# KiCad board st225_20301.kicad_pcb (continued)
## Routing (per net, layer and track width the routed paths; a pad name or vN(x,y) marks a point on that pad's centre or on a via; arc(x,y) is an arc through that point) (continued)
  Bottom w0.508: 1E1.5 1E1.4
Net-(5B1-PB0): length 91.6
  Top w0.254: 89.15,129.67 91.19,131.7 94.74,131.7 v1(96.77,129.67) ; 7D1.9 75.32,152.53 84.71,152.53 87.25,149.99 92.33,149.99 v1(94.23,151.89)
  Bottom w0.254: v1(96.77,129.67) 96.77,140.21 95.38,141.61 95.38,148.34 94.23,149.48 v1(94.23,151.89) 94.23,163.83 8C1.15 ; 89.15,129.67 90.3,128.52 90.3,126.11 91.57,124.84 5B1.29
Net-(5B1-PB1): length 110.5
  Top w0.254: 7D1.10 68.84,153.67 73.03,149.48 92.84,149.48 93.22,149.86 v1(95.38,149.86) ; v1(92.84,114.3) 91.44,114.3 5B1.28
  Bottom w0.254: 92.84,125.35 97.28,125.35 97.92,125.98 97.92,133.73 97.28,134.37 97.28,140.72 96.01,141.99 96.01,149.23 v1(95.38,149.86) 95.38,160.02 96.77,161.42 96.77,166.6 8C1.14 ; 92.84,125.35 v1(92.84,114.3) ; 92.84,125.35 92.84,127.89 92.33,128.4 91.06,128.4 90.3,129.16 90.3,134.49 89.15,135.64 6D1.3
Net-(5B1-PB2): length 111.7
  Top w0.254: 7D1.11 66.3,154.94 72.52,148.72 v1(97.28,148.72) ; v1(98.68,135.38) 88.52,135.38 6D1.4
  Bottom w0.254: 6D1.4 86.61,135.89 87.88,134.62 87.88,113.28 5B1.27 ; 8C1.13 97.41,168.51 97.41,161.04 96.14,159.77 96.14,151.77 97.28,150.62 v1(97.28,148.72) 97.28,141.99 98.04,141.22 98.04,138.43 98.68,137.8 v1(98.68,135.38)
Net-(5B1-PB3): length 118.1
  Top w0.254: 7D1.13 66.93,144.4 75.82,144.4 77.52,146.1 92.89,146.1 93.6,146.81 v1(98.68,146.81) ; v1(99.06,129.79) 96.52,132.33 89.28,132.33 86.61,129.67
  Top w0.762: 5B1.26 v1(86.49,114.43)
  Bottom w0.254: v1(86.49,114.43) 86.61,114.55 86.61,124.71 85.22,126.11 85.22,128.27 86.61,129.67 ; v1(99.06,129.79) 99.06,131.06 99.82,131.83 99.82,137.8 98.68,138.94 v1(98.68,146.81) 98.68,150.37 96.77,152.27 96.77,159.51 98.04,160.78 98.04,169.04 97.03,170.05 97.03,171.58 95.77,172.84 8C1.12
Net-(5B1-PB4): length 133
  Top w0.254: 8B1.15 107.01,168.96 107.01,159.46 v1(106.3,158.75) ; v1(104.52,119.38) v1(80.14,119.38) 74.55,119.38 v1(74.42,119.51)
  Top w0.762: v1(67.44,120.78) 70.1,120.78 v1(70.74,121.41)
  Bottom w0.254: v1(67.44,120.78) 67.44,122.56 66.93,123.06 66.93,138.68 66.3,139.31 7D1.14 ; 5B1.25 81.41,112.52 80.26,113.67 80.26,119.25 v1(80.14,119.38) 80.14,128.14 78.99,129.29 78.99,129.67 ; v1(106.3,158.75) 104.9,158.75 103.76,157.61 103.76,155.58 104.39,154.94 104.39,147.45 105.66,146.18 105.66,142.24 105.03,141.61 105.03,129.16 105.54,128.65 105.54,125.86 104.52,124.84 v1(104.52,119.38) ; v1(70.74,121.41) 72.64,119.51 v1(74.42,119.51)
Net-(5B1-PB5): length 103.5
  Top w0.254: v1(103.12,158.75) 103.12,160.15 104.39,161.42 104.39,171.45 105.66,172.72 ; 7D1.15 70.61,143 74.29,143 75.06,142.24 75.06,139.7 75.56,139.19 77.09,139.19 78.99,137.29 80.14,138.43 80.14,141.99 83.06,144.91 100.46,144.91 100.97,144.4 102.23,144.4 v1(102.36,144.27) ; v1(82.68,114.43) 81.41,114.43 5B1.24
  Bottom w0.254: v1(102.36,144.27) 102.36,145.42 103.12,146.18 v1(103.12,158.75) ; v1(82.68,114.43) 82.68,127.89 82.17,128.4 80.77,128.4 80.14,129.03 80.14,133.35 78.99,134.49 78.99,137.29
Net-(5B1-PB6): length 107.6
  Top w0.254: 7D1.16 73.92,138.68 75.06,138.68 6D1.8 78.36,135.38 87.5,135.38 88.65,134.24 99.19,134.24 99.82,133.6 102.74,133.6 v1(102.87,133.48) ; v1(100.58,172.85) 101.85,174.12 104.01,174.12 105.16,175.26 105.66,175.26
  Bottom w0.254: v1(100.58,172.85) 101.22,172.21 101.22,143.64 102.87,141.99 v1(102.87,133.48) ; 6D1.8 76.45,134.75 77.72,133.48 77.72,122.94 76.96,122.17 76.96,114.05 76.33,113.41 5B1.23
Net-(5B1-PB7): length 122.7
  Top w0.254: 76.45,129.67 78.36,131.57 86.49,131.57 87.88,132.97 97.92,132.97 101.09,129.79 v1(102.87,129.79) ; 76.45,129.67 75.06,128.27 75.06,124.59 v1(75.18,124.46) ; 76.45,129.67 73.91,132.21 v1(70.1,132.21) ; v1(99.31,174.75) 101.22,176.66 104.52,176.66 105.66,177.8
  Bottom w0.254: v1(75.18,124.46) 75.18,123.06 76.33,121.92 76.33,118.49 73.79,115.95 5B1.22 ; v1(70.1,132.21) 69.34,132.97 69.34,138.05 70.48,139.19 72.14,139.19 73.92,140.98 7D1.17 ; v1(102.87,129.79) 102.87,130.94 101.73,132.08 101.73,142.37 100.58,143.51 100.58,170.69 99.44,171.83 99.44,174.62 v1(99.31,174.75)
Net-(5B1-PC0): length 66.7
  Bottom w0.254: 5B1.20 68.83,129.54 68.83,138.43 70.23,139.83 71.75,139.83 72.52,140.59 72.52,163.19 71.88,163.83 71.88,167.51 73.41,169.04 74.68,169.04 75.31,169.67 75.31,170.56 76.33,171.58 77.6,171.58 78.74,172.72 78.74,173.48 79.5,174.24 81.03,174.24 81.66,174.88 81.66,176.15 82.8,177.29 85.98,177.29 87.76,175.51 8D1.7
Net-(5B1-PC1): length 66.4
  Top w0.254: 8D1.10 82.3,173.6 v1(82.3,167.77)
  Bottom w0.254: v1(82.3,167.77) 81.15,166.62 72.9,166.62 72.52,166.24 72.52,164.21 75.06,161.67 75.06,140.59 73.66,139.19 73.03,139.19 72.39,138.56 70.48,138.56 69.98,138.05 69.98,134.11 71.25,132.84 71.25,131.83 69.98,130.56 69.98,129.16 70.74,128.4 72.52,128.4 5B1.19
Net-(5B1-PC2): length 67
  Top w0.254: v1(85.34,163.32) 85.34,175.4 8D1.8
  Bottom w0.254: v1(85.34,163.32) 83.06,163.32 82.42,163.96 79.25,163.96 78.99,163.7 78.99,158.88 80.26,157.61 80.26,153.8 79.5,153.04 79.5,143.89 77.6,141.99 77.6,140.34 77.09,139.83 75.18,139.83 73.91,138.56 73.15,138.56 72.52,137.92 72.52,129.16 73.28,128.4 75.06,128.4 5B1.18
Net-(5B1-PC4): length 161.4
  Top w0.254: v1(29.84,47.12) 36.32,47.12 38.86,49.66 41.91,49.66 45.21,52.96 46.48,52.96 48.26,54.74 56.01,54.74 57.28,53.47 62.23,53.47 62.99,54.23 69.6,54.23 v1(70.36,53.47)
  Bottom w0.254: 1H1.1 25.78,17.78 24.77,18.8 24.77,21.08 27.05,23.37 27.05,34.29 30.48,37.72 30.48,46.48 v1(29.84,47.12) ; v1(70.36,53.47) 71.12,53.47 80.26,62.61 80.26,106.43 82.68,108.84 82.68,112.78 81.41,114.05 5B1.16
Net-(5B1-PC5): length 145.5
  Top w0.254: v1(28.57,44.45) 28.7,44.58 36.83,44.58 38.1,45.85 40.01,45.85 41.27,47.12 43.31,47.12 47.12,50.93 48.39,50.93 49.02,51.56 52.07,51.56 52.71,50.93 54.1,50.93 55.37,52.2 62.23,52.2 62.87,51.56 64.26,51.56 64.77,52.07 v1(68.58,52.07)
  Bottom w0.254: 1H1.9 24.13,32.01 24.13,35.05 24.77,35.69 25.53,35.69 29.21,39.37 29.21,43.82 v1(28.57,44.45) ; v1(68.58,52.07) 70.99,52.07 81.41,62.48 81.41,106.43 85.22,110.24 85.22,113.03 83.95,114.3 5B1.15
Net-(5B1-PC7): length 157.3
  Top w0.254: v1(26.67,19.81) 26.16,20.32 1H1.13 ; v1(68.58,50.29) 62.99,50.29 61.72,51.56 55.88,51.56 54.61,50.29 52.45,50.29 51.69,51.05 49.78,51.05 48.9,50.17 47.75,50.17 44.07,46.48 41.91,46.48 40.01,44.58 v1(38.73,44.58)
  Bottom w0.254: 5B1.13 89.03,118.87 88.52,118.36 88.52,113.28 87.76,112.52 87.76,110.87 82.55,105.66 82.55,62.36 70.48,50.29 v1(68.58,50.29) ; v1(38.73,44.58) 38.73,44.07 37.59,42.93 37.59,37.59 36.83,36.83 34.67,36.83 34.29,36.45 34.29,35.05 30.99,31.75 29.59,31.75 29.08,31.24 29.08,20.83 28.07,19.81 v1(26.67,19.81)
Net-(5B1-PD0): length 26.5
  Top w0.254: 7D1.23 91.19,143.26 96.39,143.26 v1(99.95,139.7)
  Bottom w0.254: v1(99.95,139.7) 100.58,139.06 100.58,128.52 5B1.9
Net-(5B1-PD1): length 31
  Top w0.254: v1(100.46,141.73) 98.3,143.89 89.28,143.89 7D1.22
  Bottom w0.254: 5B1.8 101.73,130.43 101.22,130.94 101.22,140.97 v1(100.46,141.73)
Net-(5B1-PD2): length 46
  Top w0.254: v1(104.27,143.13) 104.27,144.53 103.12,145.67 81.66,145.67 79,143.01 7D1.19
  Bottom w0.254: v1(104.27,143.13) 5B1.7
Net-(5B1-PD5): length 47.2
  Top w0.254: 7D1.20 84.71,144.4 100.08,144.4 102.87,141.61 v1(107.44,141.61)
  Bottom w0.254: 5B1.4 111.89,127.51 108.71,130.68 107.57,130.68 106.93,131.32 106.93,135.13 108.2,136.4 108.2,137.8 106.55,139.45 106.55,140.72 v1(107.44,141.61)
Net-(5B1-PD6): length 52.1
  Top w0.254: 5B1.3 114.43,127.64 112.9,129.16 109.35,129.16 106.81,131.7 100.33,131.7 98.42,133.6 88.14,133.6 87,134.75 71.37,134.75 v1(71.25,134.62)
  Bottom w0.254: 71.37,129.67 71.88,130.18 71.88,133.99 v1(71.25,134.62)
Net-(5B1-PD7): length 13.4
  Bottom w0.254: 5B1.2 115.19,128.91 111.38,128.91 109.85,130.43 109.85,132.97 R37.1
Net-(5B1-XTLI): length 33.8
  Top w0.254: 5B1.10 98.42,125.35 106.93,125.35 108.46,123.83 109.98,123.83 110.62,124.46 116.97,124.46 v1(120.14,121.29)
  Bottom w0.254: Y1.1 124.59,125.35 120.52,121.29 v1(120.14,121.29)
Net-(5B1-~{NMI}): length 34.9
  Bottom w0.254: 5B1.40 118.24,110.62 114.55,110.62 111.89,107.95 109.47,107.95 108.2,109.22 102.49,109.22 101.22,107.95 97.41,107.95 96.65,107.19 96.65,99.7 95.63,98.68 R35.2
Net-(5F1A-B): length 26.5
  Bottom w0.254: 5G1.5 47.48,118.24 51.69,118.24 54.23,115.7 55.63,115.7 56.13,115.19 56.13,114.17 55.12,113.16 53.98,113.16 53.59,112.78 53.59,111.12 54.23,110.49 55.88,110.49 59.81,114.42 5F1.2
Net-(5F1A-E): length 41.7
  Top w0.254: v1(42.04,117.09) 48.26,117.09 49.91,118.75 49.91,122.05
  Top w0.508: 5F1.12 54.49,116.96 53.09,118.36 53.09,120.78 54.35,122.04 5F1.10
  Top w0.762: 5F1.10 49.54,122.04 49.53,122.05
  Bottom w0.254: v1(42.04,117.09) 38.99,117.09 38.23,116.33 38.23,109.71 5G1.14
  Bottom w0.508: 5F1.5 62.35,122.05 64.39,122.05 65.53,120.9 C2.1
Net-(5F1B-B): length 31.8
  Bottom w0.254: 5F1.6 62.34,124.59 57.28,124.59 56.01,123.32 53.85,123.32 53.34,122.81 53.34,121.41 51.43,119.51 45.97,119.51 45.21,118.75 45.21,110.35 5G1.1
Net-(5F1C-B): length 9.4
  Bottom w0.254: 5F1.9 54.35,124.58 53.21,123.44 49.02,123.44 48.64,123.06 48.64,122.43 47.36,121.15 5G1.6
Net-(5F1D-B): length 9
  Bottom w0.254: 5G1.3 49.91,115.82 53.32,115.82 5F1.13
Net-(5H1A-VCT): length 27.4
  Top w0.254: 33.16,108.08 33.16,110.38 34.8,112.01 42.54,112.01 45.09,109.47 48.13,109.47 48.47,109.14 48.47,108.89 49.53,107.82 49.66,107.82 v1(50.16,107.32)
  Bottom w0.254: R44.1 50.93,110.87 50.93,108.08 v1(50.16,107.32)
Net-(5H1A-VHS): length 94
  Top w0.254: 30.62,108.08 30.61,108.1 v1(30.61,111.38) ; v1(78.36,144.27) 77.85,143.76 68.45,143.76 67.44,142.75 67.44,137.41 v1(64.77,134.75)
  Bottom w0.254: RP2.1 76.45,162.81 76.45,159 77.72,157.73 77.72,153.67 78.36,153.04 v1(78.36,144.27) ; v1(64.77,134.75) 55.88,125.86 54.23,125.86 52.45,124.08 48.51,124.08 47.88,124.71 38.86,124.71 38.23,124.08 38.23,121.54 30.61,113.92 v1(30.61,111.38)
Net-(5H1A-WCURR): length 119.8
  Top w0.254: v1(10.29,119.63) 10.3,119.65 10.3,123.32
  Bottom w0.254: R11.1 23.49,42.42 23.49,46.48 21.72,48.26 21.72,51.18 R8.1 22.86,56.13 24,57.28 24,78.36 24.77,79.12 26.29,79.12 26.8,79.63 26.8,84.84 28.07,86.11 28.07,90.42 26.67,91.82 26.67,93.22 27.3,93.85 27.3,94.62 28.19,95.5 31.12,95.5 32.38,96.77 33.4,96.77 34.42,97.79 34.42,108.97 33.27,110.11 30.1,110.11 29.34,110.87 29.34,117.09 26.8,119.63 v1(10.29,119.63) ; 10.3,123.32 7.77,125.86 R7.2
Net-(5H1A-WRT_OK): length 56
  Top w0.254: 4J1.8 16.75,100.46 24.38,100.46 25.65,99.19 v1(28.07,99.19) ; 12.84,123.32 12.95,123.21 v1(12.95,118.36) ; v1(14.1,110.11) v1(14.1,112.9)
  Bottom w0.254: RP13.8 25.53,84.71 27.43,86.61 27.43,90.04 26.03,91.44 26.03,93.6 26.67,94.23 26.67,95 28.07,96.39 v1(28.07,99.19) ; 4J1.8 14.1,105.67 v1(14.1,110.11) ; v1(14.1,112.9) 14.1,115.82 12.95,116.97 v1(12.95,118.36)
Net-(5H1A-~{DRVSEL}): length 187.1
  Top w0.254: v1(36.83,87.63) 36.83,80.65 37.46,80.01 38.99,80.01 40.13,78.87 v1(40.13,75.06) 25.65,75.06 RP13.5 ; J7.2 52.07,21.59 33.66,21.59 32.38,22.86 1H1.3 25.91,22.86 v1(25.27,23.5) ; v1(4.06,112.14) 3.94,112.01 3.94,106.55 4.45,106.05 7.87,106.05 8.89,105.03 8.89,103.63 10.8,101.73 10.8,99.82 9.52,98.55 9.52,96.77 11.3,95 11.3,93.47 11.94,92.84 25.02,92.84 30.1,87.76 v1(33.02,87.76)
  Bottom w0.254: 1H1.3 31.75,24.39 31.75,27.43 33.91,29.59 33.91,30.99 34.8,31.88 36.07,31.88 38.86,34.67 38.86,41.53 40.64,43.31 40.64,66.55 39.37,67.82 39.37,74.3 v1(40.13,75.06) ; 1H1.10 24,26.53 24,24.77 v1(25.27,23.5) ; v1(4.06,112.14) 3.94,112.27 3.94,120.9 2.68,122.16 5H1.14
  Bottom w0.508: v1(36.83,87.63) 33.15,87.63 v1(33.02,87.76)
Net-(5H1A-~{WRT_FAULT}): length 46.5
  Top w0.254: v1(13.97,84.71) 13.97,82.8 12.83,81.66 12.83,76.45 11.18,74.8 11.18,72.77 R10.2
  Bottom w0.254: v1(13.97,84.71) 14.48,85.22 14.48,93.6 13.97,94.11 13.97,99.19 17.65,102.87 17.65,104.78 19.69,106.81 24.27,106.81 25.54,108.08
Net-(5H1B-+ON): length 16.2
  Bottom w0.254: 28.08,123.32 28.08,129.91 26.29,131.7 19.44,131.7 L5.2
Net-(5H1B--ON): length 3.3
  Bottom w0.762: R4.2 30.62,124.86 30.62,123.32
Net-(5H1B-DI+): length 16.1
  Bottom w0.762: 50.29,129.71 C7.1 ; L4.2 38.36,134.88 38.23,134.75 37.59,134.75 36.32,133.48 36.32,129.03 33.78,126.49 33.78,123.94 33.16,123.32
Net-(5H1B-DI-): length 28.5
  Bottom w0.254: R3.1 48.01,127.38 49.4,125.98 51.43,125.98 52.2,126.75 52.2,136.27 49.78,138.68 TP1.1
  Bottom w0.762: 40.21,127.46 R3.1
Net-(5H1B-DO+): length 12.1
  Bottom w0.254: 20.46,123.32 20.46,129.02 C12.1 18.59,129.16 C13.1
Net-(5H1B-DO-): length 23.3
  Bottom w0.254: 5H1.6 24.77,125.09 24.77,129.03 23.49,130.3 18.16,130.3 17.27,131.19 17.27,135.51
  Bottom w0.762: C11.1 C10.1
Net-(5H1C-DI+): length 15.7
  Bottom w0.254: C12.2 9.55,129.16 15.38,123.32
  Bottom w0.762: C13.2 5.33,132.25 C12.2
Net-(5H1C-DI-): length 45.4
  Bottom w0.254: 11.05,135.38 12.45,135.38 13.97,136.91 21.21,136.91 22.73,135.38 34.42,135.38 C11.2 ; 11.05,135.38 11.05,132.21 17.92,125.33 17.92,123.32 ; 11.05,135.38 10.92,135.51 C10.2
Net-(5H1C-TMG1): length 19.8
  Top w0.508: C14.2 35.48,105.54 R5.1
  Bottom w0.254: R5.1 33.02,105.79 31.75,107.06 31.75,109.09 31.24,109.6 29.46,109.6 28.83,110.24 27.43,110.24 26.8,110.87 23.25,110.87 20.46,108.08
Net-(8B1-0): length 4.3
  Bottom w0.254: 113.28,167.64 115.7,167.64 116.97,168.91 RP6.1
Net-(8B1-1): length 14.2
  Top w0.508: v1(111.38,167.64) 111.38,169.42 112.14,170.18 8B1.2
  Bottom w0.254: v1(111.38,167.64) 112.78,166.24 115.7,166.24 116.84,167.39 118.24,167.39 RP7.1
Net-(8B1-2): length 23.7
  Top w0.254: 8B1.3 111.25,172.72 109.73,171.2 109.73,166.62 v1(111.25,165.1)
  Bottom w0.254: v1(111.25,165.1) 111.76,165.61 115.95,165.61 117.09,166.75 120.01,166.75 122.16,168.9 RP8.1
Net-(8B1-3): length 16.6
  Top w0.254: 8B1.4 122.81,175.26 123.57,174.5 123.57,170.18 RP9.1
Net-(8B1-4): length 24.3
  Top w0.254: RP10.1 128.65,170.31 128.65,177.04 127.89,177.8 8B1.5
Net-(8B1-5): length 9.1
  Top w0.254: RP6.7 112.65,184.15 112.01,183.52 112.01,181.74 8B1.6
Net-(8B1-6): length 6.9
  Top w0.254: RP7.7 118.49,182.88 8B1.7
Net-(8B1-7): length 18
  Bottom w0.254: RP8.7 122.18,184.14 120.9,185.42 115.57,185.42 114.43,184.28 106.93,184.28 8B1.9
Net-(8B1-8): length 27.6
  Bottom w0.254: RP9.7 124.59,184.15 123.32,185.42 121.79,185.42 121.03,186.18 121.03,187.83 120.27,188.6 116.33,188.6 114.55,186.82 105.54,186.82 104.65,185.93 104.65,184.02 8B1.10
Net-(8B1-9): length 33.3
  Top w0.254: v1(108.2,188.72) 108.2,187.33 107.7,186.82 107.7,182.25 8B1.11
  Bottom w0.254: v1(108.2,188.72) 109.6,187.33 113.79,187.33 116.08,189.61 121.79,189.61 123.57,187.83 123.57,186.06 124.21,185.42 125.98,185.42 RP10.7
Net-(8B1-VCC): length 42.6
  Top w0.762: 8B1.16 105.79,161.54 104.9,160.66 v1(104.9,156.97) 102.74,156.97 97.04,162.68 8C1.16 ; v1(108.08,149.35) 110.62,146.81 113.14,146.81 Q11.3
  Bottom w1.016: v1(104.9,156.97) 106.68,155.45 106.68,150.37 v1(108.08,149.35)
Net-(8C1-0): length 27.7
  Top w0.254: v1(114.68,160.02) 114.68,171.83 116.84,173.99 RP6.3
  Bottom w0.254: 8C1.1 107.96,162.68 110.62,160.02 v1(114.68,160.02)
Net-(8C1-1): length 33.6
  Top w0.254: RP7.3 118.36,172.59 118.36,170.81 117.73,170.18 115.7,170.18 115.44,169.93 115.44,161.67 v1(117.09,160.02)
  Bottom w0.254: 8C1.2 106.82,165.22 110.62,161.42 115.7,161.42 v1(117.09,160.02)
Net-(8C1-2): length 32.6
  Top w0.254: v1(117.09,162.56) 116.33,163.32 116.33,166.37 117.35,167.39 120.65,167.39 121.03,167.77 121.03,172.72 122.29,173.98 RP8.3
  Bottom w0.254: v1(117.09,162.56) 114.94,162.56 114.43,162.05 111.38,162.05 107.06,166.37 104.63,166.37 8C1.3
Net-(8C1-3): length 24.9
  Bottom w0.254: 8C1.4 104.39,171.45 114.05,171.45 115.19,172.59 115.19,173.86 116.59,175.26 123.44,175.26 124.71,173.99 RP9.3
Net-(8C1-4): length 32.9
  Bottom w0.254: 8C1.5 101.85,171.45 101.85,169.55 102.49,168.91 114.55,168.91 115.32,169.67 115.32,171.58 116.46,172.72 126.24,172.72 127.25,173.74 RP10.3
Net-(8C1-5): length 15.4
  Bottom w0.254: 8C1.6 104.39,176.53 114.17,176.53 116.71,179.07 RP6.5
Net-(8C1-6): length 19.1
  Top w0.254: 8C1.7 104.52,179.2 106.43,179.2 v1(107.7,177.93) ; v1(111.25,177.93) 112.39,179.07 114.68,179.07 115.95,180.34 118.49,180.34 RP7.5
  Bottom w0.508: v1(111.25,177.93) v1(107.7,177.93)
Net-(8C1-7): length 28.2
  Bottom w0.254: RP8.5 122.3,179.07 121.03,180.34 115.95,180.34 114.81,179.2 96.88,179.2 8C1.9
Net-(8C1-8): length 38.2
  Bottom w0.254: RP9.5 124.71,179.07 123.44,180.34 123.44,182.5 123.06,182.88 115.82,182.88 114.68,181.74 94.74,181.74 93.98,180.98 93.98,179.56 8C1.10
Net-(8C1-9): length 35.5
  Bottom w0.254: RP10.5 125.98,177.8 116.59,177.8 115.06,176.28 115.06,175.01 114.17,174.12 102.23,174.12 100.33,176.02 98.04,176.02 97.4,175.38 8C1.11
Net-(8D1-1/2_STEP): length 11.3
  Top w0.254: 8D1.9 79.25,178.05 77.85,176.66 73.41,176.66 R36.1
Net-(8D1-PH0): length 33.5
  Top w0.254: R39.1 112.52,143.26 96.27,159.51 94.11,159.51 90.81,162.81 RP5.2
  Bottom w0.508: 8D1.2 RP5.2
Net-(8D1-PH1): length 83.2
  Top w0.254: RP5.7 89.15,174.37 87.38,174.37 86.23,173.23 86.23,167.12 8D1.3 89.4,163.96 90.81,163.96 94.62,160.15 96.39,160.15 103,153.54 106.17,153.54 109.6,150.11 116.08,150.11 v1(117.73,148.46) ; v1(117.73,165.35) 118.87,164.21 126.11,164.21 129.54,167.64 R40.1
  Bottom w0.254: v1(117.73,165.35) 118.36,164.72 118.36,158.88 117.73,158.24 v1(117.73,148.46)
Net-(8D1-PH2): length 71
  Top w0.254: R41.1 128.52,150.62 126.36,152.78 123.44,152.78 122.05,151.38 110.24,151.38 106.55,155.07 103,155.07 96.77,161.29 94.87,161.29 93.6,162.56 93.6,167.13 RP5.5
  Bottom w0.254: RP5.5 89.03,169.16 87.25,169.16 86.61,168.53 86.61,165.99 85.98,165.35 8D1.14
Net-(8D1-PH3): length 52
  Top w0.254: RP5.3 91.82,165.35 92.96,164.21 92.96,162.43 94.62,160.78 96.44,160.78 103.05,154.18 106.43,154.18 109.85,150.75 120.52,150.75 R42.1
  Bottom w0.254: RP5.3 90.17,165.35 88.9,164.08 87.63,164.08 85.72,162.18 82.93,162.18 82.3,162.81 8D1.15
Net-(8D1-SET): length 264.2
  Top w0.254: Q9.1 26.8,57.91 34.29,57.91 37.46,61.09 43.05,61.09 44.32,62.36 v1(57.15,62.36) ; v1(57.15,46.99) 61.6,46.99 63.37,45.21 72.64,45.21 74.17,43.69 74.17,42.8 75.18,41.78 v1(77.47,41.78) ; v1(102.36,104.01) 102.36,105.66 102.74,106.05 102.74,107.95 105.41,110.62 112.52,110.62 113.16,111.25 113.16,113.16 v1(114.43,114.43) ; 8D1.6 88.52,172.97 89.79,174.24 91.69,174.24 94.36,171.58 103.89,171.58 104.52,172.21 104.52,173.48 105.03,173.99 106.55,173.99 107.44,173.1 107.44,155.7 107.95,155.19 110.49,155.19 111.38,154.31 v1(111.38,152.65)
  Bottom w0.254: v1(102.36,104.01) 102.36,96.65 103.63,95.38 104.27,95.38 104.27,95.25 104.78,94.74 104.78,91.44 101.09,87.76 101.09,61.59 100.58,61.09 99.19,61.09 97.79,59.69 97.79,56.52 97.16,55.88 90.17,55.88 87.12,52.83 87.12,50.17 86.49,49.53 86.49,45.85 83.82,43.18 79.5,43.18 78.1,41.78 v1(77.47,41.78) ; v1(111.38,152.65) 112.65,151.38 112.65,148.72 114.94,146.43 114.94,131.83 118.24,128.52 118.24,125.86 114.43,122.05 v1(114.43,114.43) ; v1(57.15,62.36) v1(57.15,46.99)
Net-(9E1-12V): length 10.4
  Bottom w0.254: C1.1 63.04,179.24 61.72,177.93 59.94,177.93 59.18,178.69 59.18,180.72 58.95,180.96 58.95,181.73
  Bottom w0.762: R75.1 65.48,179.24 C1.1
Net-(9E1-DI+): length 128.1
  Top w0.762: R46.2 63.96,194.36 C6.1
  Bottom w0.254: C6.1 63.96,191.82 9E1.8 65.28,185.56 65.28,181.17 66.8,179.64 66.8,163.83 61.72,158.75 61.72,151.38 61.21,150.88 61.21,134.75 57.66,131.19 55.5,131.19 52.71,128.4 52.71,126.24 51.82,125.35 49.02,125.35 48.39,125.98 38.23,125.98 36.96,124.71 36.96,122.17 36.45,121.67 9.42,121.67 7.76,123.32
Net-(9E1-DI-): length 140.3
  Bottom w0.254: 67.69,184.4 68.83,184.4 70.23,185.8 70.23,190.88 71.25,191.9 C6.2 ; 67.69,184.4 67.69,163.7 62.23,158.24 62.23,150.62 61.72,150.11 61.72,133.86 58.04,130.18 55.37,130.18 53.34,128.14 53.34,126.11 51.94,124.71 48.77,124.71 48.26,125.22 38.35,125.22 37.59,124.46 37.59,121.79 36.83,121.03 7.51,121.03 5H1.13 ; 67.69,184.4 67.69,185.68 9E1.7
  Bottom w0.762: C6.2 73.96,194.36 R46.1
Net-(9E1-DO+): length 10.8
  Bottom w0.254: 9E1.10 56.41,185.53 57.53,184.4 57.53,179.75 C5.1
Net-(9E1-DO-): length 10.8
  Bottom w0.254: 58.95,189.35 58.95,188.19 60.07,187.07 60.07,180.47 60.58,179.96 C4.1
Net-(9E1-G+): length 11.1
  Bottom w0.254: C19.1 64.34,197.23 66.42,197.23 67.18,196.47 67.18,191.9 66.57,191.28 66.57,189.35
Net-(9E1-G-): length 9.6
  Bottom w0.254: C19.2 73.79,196.85 69.11,192.17 9E1.5
Net-(C3-Pad1): length 9.2
  Bottom w0.762: C3.1 52.83,138.68 53.34,138.18 53.34,137.04 L4.1 56.01,139.19 L2.2 53.01,139.2 C3.1
Net-(C3-Pad2): length 24.9
  Bottom w0.762: L3.1 53.6,132.98 L1.2 59.82,141.1 58.93,141.99 53.72,141.99 52.83,142.88 C3.2
Net-(C4-Pad2): length 2.2
  Bottom w0.508: C4.2 R1.2
Net-(C5-Pad2): length 2.2
  Bottom w0.508: C5.2 R2.2
Net-(C9-Pad1): length 4
  Bottom w0.762: L5.1 33.07,130.34 C9.1
Net-(C9-Pad2): length 2.8
  Bottom w0.762: C9.2 23.07,127.46 R4.1
Net-(C20-Pad2): length 41.2
  Top w0.762: R26.1 101.09,60.96 v1(99.82,62.23)
  Bottom w0.254: 100.27,93.28 100.97,93.98 ; 100.27,93.28 100.84,93.85 C20.2 ; 100.27,93.28 99.31,92.33 99.31,88.52 99.82,88.01 v1(99.82,62.23)
Net-(CR1-A): length 39.9
  Bottom w0.508: R25.1 94.62,29.72 95,29.72 95.63,29.08 95.63,27.31 95,26.67 95,24.64 95.88,23.75 98.04,23.75 98.42,24.13 Q6.3 102.23,22.35 103.38,21.21 106.3,21.21 107.06,21.97 107.06,24.13 116.08,33.15 CR1.2
Net-(CR2-K): length 29.2
  Top w0.762: v1(112.39,33.78) 112.39,32 115.44,28.96 CR2.1
  Bottom w0.508: R18.1 R24.1 CR2.1
  Bottom w1.016: Q5.1 105.54,44.83 110.49,39.88 111.63,39.88 112.39,39.12 v1(112.39,33.78)
Net-(CR3-K): length 38.8
  Top w1.016: R28.1 110.74,74.8 112.52,73.03 112.52,71.37 114.68,69.22 Q3.1
  Bottom w1.27: Q1.1 122.3,51.56 121.03,52.83 121.03,59.69 118.49,62.23 ; 118.49,62.23 116.71,62.23 R20.1 ; 118.49,62.23 117.35,63.37 117.35,67.95 116.08,69.22 Q3.1
Net-(D5-A): length 70.7
  Bottom w0.254: R13.1 132.46,142.11 131.44,143.13 131.44,144.91 130.81,145.54 130.81,164.97 129.41,166.37 129.41,168.91 133.22,172.72 133.22,181.86 133.73,182.37 133.73,184.66 133.1,185.29 131.57,185.29 125.98,190.88 115.76,190.88 113.6,188.72 D5.2
Net-(D5-K): length 7.9
  Bottom w0.254: R12.1 112.65,192.41 110.74,190.5 D5.1
Net-(J2-Pin_13): length 109.6
  Top w0.254: v1(11.43,10.41) 11.43,5.33 J2.13 ; 5H1.15 2.68,108.06
  Bottom w0.254: v1(11.43,10.41) 11.3,10.41 10.03,11.68 10.03,16.26 8.89,17.4 8.89,34.04 4.95,37.97 4.95,62.74 7.87,65.66 7.87,73.15 8.51,73.79 R6.2 8.51,76.58 6.73,78.36 6.73,92.2 5.84,93.09 5.84,98.17 3.17,100.84 3.17,106.43 2.68,106.92 5H1.15
Net-(J2-Pin_14): length 109.8
  Bottom w0.254: J2.14 11.3,8.26 12.7,9.65 12.7,10.8 10.8,12.7 10.8,16.51 9.52,17.78 9.52,34.16 5.71,37.97 5.71,62.36 8.38,65.02 8.38,72.64 9.65,73.91 9.65,76.71 8.51,77.85 R6.1 8.51,87.12 7.87,87.76 7.87,92.58 6.6,93.85 6.6,101.47 5.22,102.86 5H1.16
Net-(J5-Pin_2): length 13
  Bottom w0.254: 71.65,189.35 75.32,185.67 83.01,185.67 J5.2
Net-(J5-Pin_4): length 13.5
  Bottom w0.254: 9E1.3 77.23,186.31 81.41,186.31 82.04,186.94 84.28,186.94 J5.4
Net-(J5-Pin_6): length 13
  Bottom w0.254: J5.6 85.8,187.96 78.12,187.96 76.73,189.35
Net-(J5-Pin_8): length 13
  Bottom w0.254: 9E1.1 86.95,189.35 J5.8
Net-(J5-Pin_10): length 33.6
  Top w0.254: 71.65,181.73 71.63,181.75 71.63,185.42 72.9,186.69 72.9,190.25 73.28,190.63 74.8,190.63 76.2,192.02 v1(76.45,192.02)
  Bottom w0.254: v1(76.45,192.02) 78.99,192.02 80.39,190.63 89.66,190.63 93.23,187.06 J5.10
Net-(J5-Pin_12): length 35.8
  Top w0.254: 9E1.18 75.56,183.1 75.56,190.25 76.07,190.75 77.22,190.75 77.85,191.39 v1(77.85,193.93)
  Bottom w0.254: v1(77.85,193.93) 80.39,191.39 89.99,191.39 J5.12
Net-(J5-Pin_14): length 36.4
  Top w0.254: 76.73,181.73 77.85,182.85 77.85,190.63 80.26,193.04 v1(80.26,193.8)
  Bottom w0.254: v1(80.26,193.8) 81.41,192.66 83.69,192.66 84.33,193.29 92.2,193.29 98.31,187.19 J5.14
Net-(J5-Pin_16): length 35.1
  Top w0.254: 9E1.20 80.52,182.98 80.52,191.14 82.93,193.55 v1(82.93,193.93)
  Bottom w0.254: v1(82.93,193.93) 92.33,193.93 100.65,185.61 J5.16
Net-(J6-Pin_1): length 93.5
  Top w0.254: TP7.1 133.86,186.69 132.46,185.29 v1(132.46,183.26) ; J6.1 122.81,154.81 v1(127.25,154.81)
  Top w0.508: RP7.8 RP9.8
  Bottom w0.254: 122.81,128.14 122.81,130.68 129.67,137.54 129.67,139.06 131.19,140.59 131.19,141.86 130.68,142.37 130.68,144.65 127.25,148.08 v1(127.25,154.81) 127.25,160.02 130.05,162.81 130.05,164.72 128.65,166.12 128.65,170.43 132.46,174.24 v1(132.46,183.26) 132.46,183.64 129.41,186.69 RP10.8
  Bottom w0.762: RP9.8 RP10.8 ; RP6.8 RP7.8
Net-(J6-Pin_2): length 51.7
  Top w0.254: TP6.1 133.1,181.61 v1(130.43,181.61)
  Bottom w0.254: RP10.2 131.83,176.02 131.83,180.21 v1(130.43,181.61) ; 126.11,171.45 126.11,166.24 128.52,163.83 128.52,163.7 127.38,162.56 124.08,162.56 123.44,161.93 123.44,157.1 121.67,155.32 J6.2
  Bottom w0.762: RP6.2 RP10.2
Net-(J6-Pin_3): length 60.2
  Top w0.254: v1(121.03,165.35) 123.06,165.35 123.57,164.85 125.98,164.85 129.92,168.78 129.92,177.93 129.29,178.56 129.29,180.34 ; 129.29,180.34 129.29,183.52 v1(129.92,184.15) ; 129.29,180.34 133.6,180.34 134.75,181.48 TP5.1
  Top w0.508: RP8.6 124.83,181.6 RP9.6 ; R40.2 131.32,185.55 v1(129.92,184.15)
  Bottom w0.254: J6.3 119.56,159.08 119.56,163.88 v1(121.03,165.35)
  Bottom w0.508: RP10.6 129.79,184.15 v1(129.92,184.15)
  Bottom w0.762: RP6.6 122.29,181.61 RP8.6 ; RP9.6 RP10.6
